# KiCad board dongle.kicad_pcb
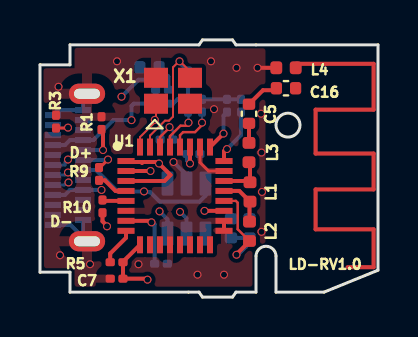
[diagram p0: board, top side]
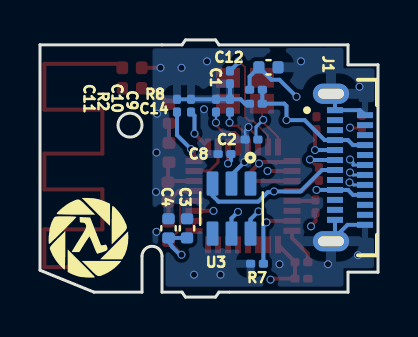
[diagram p1: board, bottom side, seen from below]

Outline 16.9 x 12.9 mm; copper layers: Top, In1.Cu, In2.Cu, Bottom. Coordinates in mm from the lower left corner of the outline.
Outline path: circle c12.4,8.62 r0.6 ; 0,11.65 0,1.25 1.5,1.25 1.5,0.25 7.95,0.25 8.12,0 9.62,0 9.8,0.25 10.8,0.25 10.8,2.05 arc(11.3,2.55) 11.8,2.05 11.8,0.25 14.2,0.25 16.9,1.35 16.9,12.65 10.8,12.65 9.8,12.65 9.63,12.9 8.12,12.9 7.95,12.65 1.5,12.65 1.5,11.65 0,11.65
Stack: Top 0.035mm / dielectric 0.1mm FR4 er 4.5 / In1.Cu 0.035mm / dielectric 1.24mm FR4 er 4.5 / In2.Cu 0.035mm / dielectric 0.1mm FR4 er 4.5 / Bottom 0.035mm

## Placement (name value [footprint] x y rotation side)
AE1  2.4GHz  [dongle_2.4GHz]  20.57 7.12 270 top
C1  15pF  [C_0201_0603Metric]  7.4 11.02 90 bottom
C2  15pF  [C_0201_0603Metric]  6.32 7.9 0 bottom
C3  2.2nF  [C_0402_1005Metric]  9.55 3.45 90 bottom
C4  5.6pF  [C_0402_1005Metric]  10.47 3.45 90 bottom
C5  1.2pF  [C_0402_1005Metric]  10.45 9.2 270 top
C7  10nF  [C_0201_0603Metric]  3.83 0.92 180 top
C8  10nF  [C_0201_0603Metric]  7.68 7.17 0 bottom
C9  33nF  [C_0201_0603Metric]  7.4 9.6 90 bottom
C10  33nF  [C_0201_0603Metric]  8.1 9.6 90 bottom
C11  100nF  [C_0201_0603Metric]  10.05 9.6 90 bottom
C12  10µF  [C_0402_1005Metric]  5.47 11.52 0 bottom
C14  100nF  [C_0201_0603Metric]  6.11 9.7 0 bottom
C16  1.2pF  [C_0402_1005Metric]  12.3 10.47 180 top
G***  -  [LOGO]  14.47 2.97 180 bottom
J1  USB4155-03-C_REVA  [GCT_USB4155-03-C_REVA]  1.4 6.5 90 bottom
L1  6.8nH  [L_0402_1005Metric]  10.5 5.27 270 top
L2  6.8nH  [L_0402_1005Metric]  10.47 3.3 270 top
L3  4.7nH  [L_0402_1005Metric]  10.45 7.25 270 top
L4  3.9nH  [L_0402_1005Metric]  12.3 11.5 0 top
R1  5.1kΩ  [R_0201_0603Metric]  3.07 8.72 270 top
R2  22kΩ  [R_0201_0603Metric]  9.35 9.6 90 bottom
R3  5.1kΩ  [R_0201_0603Metric]  0.8 8.8 90 top
R5  10kΩ  [R_0201_0603Metric]  3.83 1.75 180 top
R7  10kΩ  [R_0201_0603Metric]  6.05 1.67 180 bottom
R8  10Ω  [R_0201_0603Metric]  6.1 10.4 180 bottom
R9  22Ω  [R_0201_0603Metric]  2.95 6.17 270 top
R10  22Ω  [R_0201_0603Metric]  3.12 4.55 90 top
U1  NRF24LU1P-F32Q32-T  [QFN50P500X500X95-33N-D]  6.75 5.08 0 top
U3  USBLC6-2SC6  [SOT95P280X145-6N]  7.32 4.44 270 bottom
X1  EA2025MA10-16.000M_TR  [EA2025MA1016000MTR]  6.65 10.35 90 top

## Library data of the parts
AE1 = -: Description: Antenna
C1-C3 C5 C7-C12 C14 C16 = -: Description: Unpolarized capacitor; ki_fp_filters: C_*
C4 = -: Description: Unpolarized capacitor; LCSC PN: C2224707; ki_fp_filters: C_*
J1 = -: PARTREV: A; MANUFACTURER: GCT; MAXIMUM_PACKAGE_HEIGHT: 2.9 mm; STANDARD: Manufacturer Recommendations
L1-L4 = -: Description: Inductor; ki_fp_filters: Choke_* *Coil* Inductor_* L_*
R1-R3 R5 R7-R10 = -: Description: Resistor, US symbol; ki_fp_filters: R_*
U1 = -: Datasheet: https://componentsearchengine.com/Datasheets/1/nRF24LU1P-F32Q32-T.pdf; Description: Nordic Semiconductor NRF24LU1P-F32Q32-T, 8 bit System On Chip SOC for Compact USB Dongles for Wireless Peripherals,; Height: 0.95; Mouser Part Number: 949-NRF24LU1PF3232T; Mouser Price/Stock: https://www.mouser.co.uk/ProductDetail/Nordic-Semiconductor/nRF24LU1P-F32Q32-T?qs=yd0qOhnSiDcwp9bBOHQXig%3D%3D; Manufacturer_Name: Nordic Semiconductor; LCSC PN: C545245
U3 = -: MF: STMicroelectronics; PURCHASE-URL: https://pricing.snapeda.com/search/part/USBLC6-2SC6/?ref=eda; PACKAGE: SOT-23-6 STMicroelectronics; PRICE: None; AVAILABILITY: In Stock; DESCRIPTION: 17V Clamp 5A (8/20µs) Ipp Tvs Diode Surface Mount SOT-23-6; LCSC PN: C7519
X1 = -: Datasheet: https://abracon.com/datasheets/Ecliptek/EA2025.pdf; Description: 16 MHz +/-15ppm Crystal 8pF 80 Ohms 4-SMD, No Lead -40C +85C; Height: 0.65; Manufacturer_Name: ABRACON; Manufacturer_Part_Number: EA2025MA10-16.000M TR; LCSC PN: C5725838

## Footprints (pads in the part's own frame, mm; a bottom-side part is the same pattern mirrored in y, then rotated)
C_0201_0603Metric
  rrect 0.318x0.36 smd: (-0.345,0) (0.345,0)
  rrect 0.46x0.4 smd: 1(-0.32,0) 2(0.32,0)
C_0402_1005Metric
  rrect 0.56x0.62 smd: 1(-0.48,0) 2(0.48,0)
dongle_2.4GHz
  rrect 0.2x0.2 smd: 1(-4.58,-7.74)
EA2025MA1016000MTR
  rect 1x1.2 smd: 1(-0.65,0.85) 2(-0.65,-0.85) 3(0.65,-0.85) 4(0.65,0.85)
GCT_USB4155-03-C_REVA
  rect 0.3x0.8 smd: A1(2.875,0.75) A2(2.375,0.75) A3(1.875,0.75) A4(1.375,0.75) A5(0.875,0.75) A6(0.375,0.75) A7(-0.125,0.75) A8(-0.625,0.75) A9(-1.125,0.75) A10(-1.625,0.75) A11(-2.125,0.75) A12(-2.625,0.75) B1(-2.875,-0.75) B2(-2.375,-0.75) B3(-1.875,-0.75) B4(-1.375,-0.75) B5(-0.875,-0.75) B6(-0.375,-0.75) B7(0.125,-0.75) B8(0.625,-0.75) B9(1.125,-0.75) B10(1.625,-0.75) B11(2.125,-0.75) B12(2.625,-0.75)
  custom 1.01x1.81 hole 0.5x1.3: S1(-3.7,0.95) S2(3.7,0.95)
L_0402_1005Metric
  rrect 0.59x0.64 smd: 1(-0.485,0) 2(0.485,0)
QFN50P500X500X95-33N-D
  rect 0.85x0.3 smd: 1(-2.45,1.75) 2(-2.45,1.25) 3(-2.45,0.75) 4(-2.45,0.25) 5(-2.45,-0.25) 6(-2.45,-0.75) 7(-2.45,-1.25) 8(-2.45,-1.75) 17(2.45,-1.75) 18(2.45,-1.25) 19(2.45,-0.75) 20(2.45,-0.25) 21(2.45,0.25) 22(2.45,0.75) 23(2.45,1.25) 24(2.45,1.75)
  rect 0.3x0.85 smd: 9(-1.75,-2.45) 10(-1.25,-2.45) 11(-0.75,-2.45) 12(-0.25,-2.45) 13(0.25,-2.45) 14(0.75,-2.45) 15(1.25,-2.45) 16(1.75,-2.45) 25(1.75,2.45) 26(1.25,2.45) 27(0.75,2.45) 28(0.25,2.45) 29(-0.25,2.45) 30(-0.75,2.45) 31(-1.25,2.45) 32(-1.75,2.45)
R_0201_0603Metric
  rrect 0.318x0.36 smd: (-0.345,0) (0.345,0)
  rrect 0.46x0.4 smd: 1(-0.32,0) 2(0.32,0)
SOT95P280X145-6N
  rrect 1.21x0.59 smd: 1(-1.255,0.95) 2(-1.255,0) 3(-1.255,-0.95) 4(1.255,-0.95) 5(1.255,0) 6(1.255,0.95)

## Nets
GND: C1.1 C2.2 C3.2 C4.2 C7.2 C8.2 C9.2 C10.2 C11.2 C12.1 C14.2 J1.A1 J1.A12 J1.B1 J1.B12 J1.S1 J1.S2 L4.1 R1.1 R2.2 R3.2 R7.1 U1.6 U1.12 U1.17 U1.18 U1.23 U1.26 U1.30 U3.2 X1.2 X1.4
VBus: C14.1 J1.A4 J1.A9 J1.B4 J1.B9 R8.2 U3.5
VDD: C7.1 C8.1 C11.1 R5.1 U1.1 U1.3 U1.9 U1.19 U1.24 U1.27
ANTENNA: AE1.1 C16.1 L4.2
D+: J1.A6 J1.B6 R9.1 U3.6
D-: J1.A7 J1.B7 R10.1 U3.3
DEC1: C10.1 U1.28
DEC2: C9.1 U1.29
IREF: R2.1 U1.25
Net-(C5-Pad2): C5.2 L3.1
Net-(C16-Pad2): C5.1 C16.2
Net-(J1-CC1): J1.A5 R1.2
Net-(J1-CC2): J1.B5 R3.1
Net-(U1-ANT1): L1.2 L2.1 U1.21
Net-(U1-ANT2): L1.1 L3.2 U1.22
Net-(U1-D+): R9.2 U1.4
Net-(U1-D-): R10.2 U1.5
Net-(U1-PROG): R7.2 U1.7
Net-(U1-VBUS): C12.2 R8.1 U1.2
Net-(U1-VDD_PA): C3.1 C4.1 L2.2 U1.20
Net-(U1-XC1): C2.1 U1.32 X1.1
Net-(U1-XC2): C1.2 U1.31 X1.3
Net-(U1-~{RESET}): R5.2 U1.8

Pads without a net: J1 A2 A3 A8 A10 A11 B2 B3 B8 B10 B11; U1 10 11 13 14 15 16; U3 1 4

## Via types
v1: diameter 0.4, hole 0.3, Top to Bottom, 43 vias

## Routing (per net, layer and track width the routed paths; a pad name or vN(x,y) marks a point on that pad's centre or on a via; arc(x,y) is an arc through that point)
GND: length 16.9
  Top w0.12: 6,7.52 6,8.03 6.42,8.45
  Top w0.15: 8,7.52 8,6.75 8.43,6.33 U1.23
  Top w0.2: U1.17 U1.18 ; L4.1 10.9,11.5
  Bottom w0.12: v1(6.47,8.52) 6.64,8.36 C2.2
  Bottom w0.2: C9.2 C1.1 ; C9.2 C10.2 R2.2 C11.2 ; C9.2 6.87,9.92 6.65,9.7 C14.2 ; J1.B12 0.9,9.38 J1.A1 2.15,10 J1.S2 ; v1(6.68,6.77) 7.33,6.12 U3.2 ; J1.B1 1.53,3.62 J1.S1 2.15,3 J1.A12
  vias: v1(0.93,10.55) v1(1,2.1) v1(2.5,1.65) v1(3.85,11.83) v1(4.93,1.65) v1(7.88,1.12) v1(8.55,11.83) v1(8.7,9.42) v1(9.2,1.12) v1(9.82,11.5) v1(10.88,11.5) v1(11.05,9.2) v1(11.07,7.25) v1(11.1,5.27) v1(11.07,3.27)
VBus: length 22
  In1.Cu w0.2: v1(7,4.27) 5.97,3.25 5.2,3.25 v1(3.07,5.38) ; v1(7,4.27) 6.75,4.52 ; v1(7,4.27) 4.57,6.7 v1(4.57,8.88)
  Bottom w0.2: v1(7,4.27) 7.32,3.95 U3.5 ; v1(4.57,8.88) 3.67,8.88 2.67,7.88 J1.A4 1.5,7.88 1.25,7.62 J1.B9 ; v1(3.07,5.38) J1.A9 1.5,5.38 1.25,5.12 J1.B4 ; R8.2 5.79,10.39 C14.1 4.69,9.7 4.57,9.59 4.57,8.9
VDD: length 24.5
  Top w0.2: 4.45,5.83 6.22,5.83 6.53,6.12 v1(5.95,6.7) ; 5.15,6.77 4.5,6.77 4.45,6.83 ; 5.15,6.77 5.1,6.72 ; 5.15,6.77 5.85,6.77 5.93,6.7 ; 9.32,7.45 9.2,7.33 U1.24 ; U1.9 4.15,1.77 R5.1 C7.1 5.33,0.92 v1(5.38,0.88) ; U1.19 v1(8.22,4.33) ; 7.5,7.52 v1(7.5,6.7)
  In2.Cu w0.2: v1(9.35,7.42) 8.62,6.7 v1(7.5,6.7) ; v1(7.5,6.7) 8.32,5.88 8.32,4.42 v1(8.22,4.33) 8.22,3.72 v1(5.38,0.88) ; v1(7.5,6.7) 7.4,6.7 6.97,6.27 6.38,6.27 v1(5.95,6.7)
  Bottom w0.2: v1(7.5,6.7) 7.36,6.84 C8.1 ; C11.1 10.05,8.12 v1(9.35,7.42)
D+: length 10.5
  Top w0.15: v1(3.4,6.9) 3,6.49 R9.1
  In1.Cu w0.15: v1(1.4,6.25) 1.42,6.25 2.07,6.9 v1(3.4,6.9)
  In1.Cu w0.2: v1(3.4,6.9) 4.03,6.9 4.1,6.83 4.1,5.69 5.49,4.3 v1(5.97,4.3)
  Bottom w0.15: 1.42,6.3 1.24,6.12 J1.B6
  Bottom w0.2: J1.A6 3.38,6.88 v1(3.4,6.9) ; U3.6 6.38,3.9 6.03,4.25
D-: length 16.2
  Top w0.2: 3.35,3.58 3.13,3.8 R10.1
  In2.Cu w0.15: v1(1.4,6.9) 2.22,6.9 3.82,5.3 v1(5.2,5.3)
  In2.Cu w0.2: v1(5.2,5.3) 3.45,3.55 v1(3.35,3.55)
  Bottom w0.15: v1(1.4,6.9) 1.25,6.75 1.25,6.62 J1.B7
  Bottom w0.2: U3.3 8.28,5.09 7.97,4.79 5.99,4.79 5.51,5.26 5.24,5.26 v1(5.2,5.3) 3.88,5.3 2.8,6.38 J1.A7
DEC1: length 2.6
  Top w0.12: 8.1,8.77 8.1,8.62 7.75,8.27 7.16,8.27 7,8.12 7,7.52
  Bottom w0.12: v1(8.1,8.75) C10.1
DEC2: length 2.4
  Top w0.12: 7.43,8.8 7.43,8.59 7.02,8.59 6.5,8.07 6.5,7.52
  Bottom w0.12: v1(7.43,8.75) 7.43,9.25 C9.1
IREF: length 2.1
  Top w0.2: 8.5,7.52 9.2,8.22
  Bottom w0.2: R2.1 9.18,9.11 v1(9.18,8.2)
Net-(C5-Pad2): length 1
  Top w0.2: L3.1 C5.2
Net-(C16-Pad2): length 1.7
  Top w0.2: C5.1 11.15,10.38 11.72,10.38 C16.2
Net-(J1-CC1): length 2
  Top w0.2: R1.2 3.15,8.33 v1(3.15,7.38)
  Bottom w0.2: J1.A5 3.12,7.38
Net-(J1-CC2): length 4.7
  Top w0.15: v1(1.4,8.5) 1.38,8.48 R3.1
  In1.Cu w0.15: v1(1.4,8.5) 0.93,8.02 0.93,6.05 1.23,5.75 v1(1.43,5.75)
  Bottom w0.15: v1(1.43,5.75) 1.34,5.75 1.22,5.62 J1.B5
Net-(U1-ANT1): length 2.5
  Top w0.2: L2.1 10.47,4.77 L1.2 9.97,5.33 U1.21
Net-(U1-ANT2): length 2.4
  Top w0.2: L3.2 10.5,6.72 L1.1 10.44,5.83 U1.22
Net-(U1-D+): length 1.7
  Top w0.2: R9.2 3.25,5.86 3.78,5.33 4.45,5.33
Net-(U1-D-): length 1.2
  Top w0.2: R10.2 3.17,4.83 U1.5
Net-(U1-PROG): length 3.4
  Top w0.2: v1(5.57,3.75) 5.5,3.83 U1.7
  Bottom w0.2: 5.62,3.77 5.73,3.66 R7.2
Net-(U1-VBUS): length 9.3
  Top w0.2: U1.2 v1(5.53,6.33)
  In2.Cu w0.2: 4.07,10.02 4.07,7.77 v1(5.53,6.33)
  Bottom w0.2: v1(4.07,10.05) 4.93,10.9 5.33,10.9 C12.2 6.42,11.06 R8.1
Net-(U1-VDD_PA): length 5.9
  Top w0.12: U1.20 9.79,4.83 9.88,4.73 9.88,3.41 L2.2
  Top w0.2: 10.5,2.81 10.49,2.81 9.82,2.15
  Bottom w0.2: v1(9.82,2.12) 9.9,2.12 10.29,2.51 10.46,2.78 10.47,2.79 C4.1 C3.1
Net-(U1-XC1): length 3.7
  Top w0.1: 5,7.52 5,8.02 5.8,8.83 X1.1
  Bottom w0.15: v1(5.74,8.89) 6.1,8.53 6.1,7.99 C2.1
  Bottom w0.2: 5.75,8.88 v1(5.74,8.89)
Net-(U1-XC2): length 6.8
  Top w0.1: 5.5,7.52 5.5,8.1 6.25,8.85 6.45,8.85 6.65,9.05 6.65,11.52 6.97,11.85 7.5,11.33 X1.3
  Bottom w0.2: C1.2 6.97,11.77 v1(6.97,11.83)
Net-(U1-~{RESET}): length 2.3
  Top w0.2: U1.8 4.3,2.97 3.51,2.19 R5.2 ; 4.45,3.33 4,3.33

## Copper pours and planes (outline as drawn; the poured copper is in the pictures)
GND on Top: 11.28,2.75 10.62,2.33 10.62,0.52 1.72,0.52 1.72,1.45 0.2,1.45 0.18,11.47 1.72,11.47 1.72,12.5 11.28,12.47
GND on Bottom: 11.28,2.75 10.62,2.33 10.62,0.52 1.72,0.52 1.72,1.45 0.2,1.45 0.18,11.47 1.72,11.47 1.72,12.5 11.28,12.47

## Text on the board
F.Silkscreen: D- | D+ | LD-RV1.0
